# Altium PCB PCB_3U_ADC.PCBDOC (part 4 of 5) (continued)
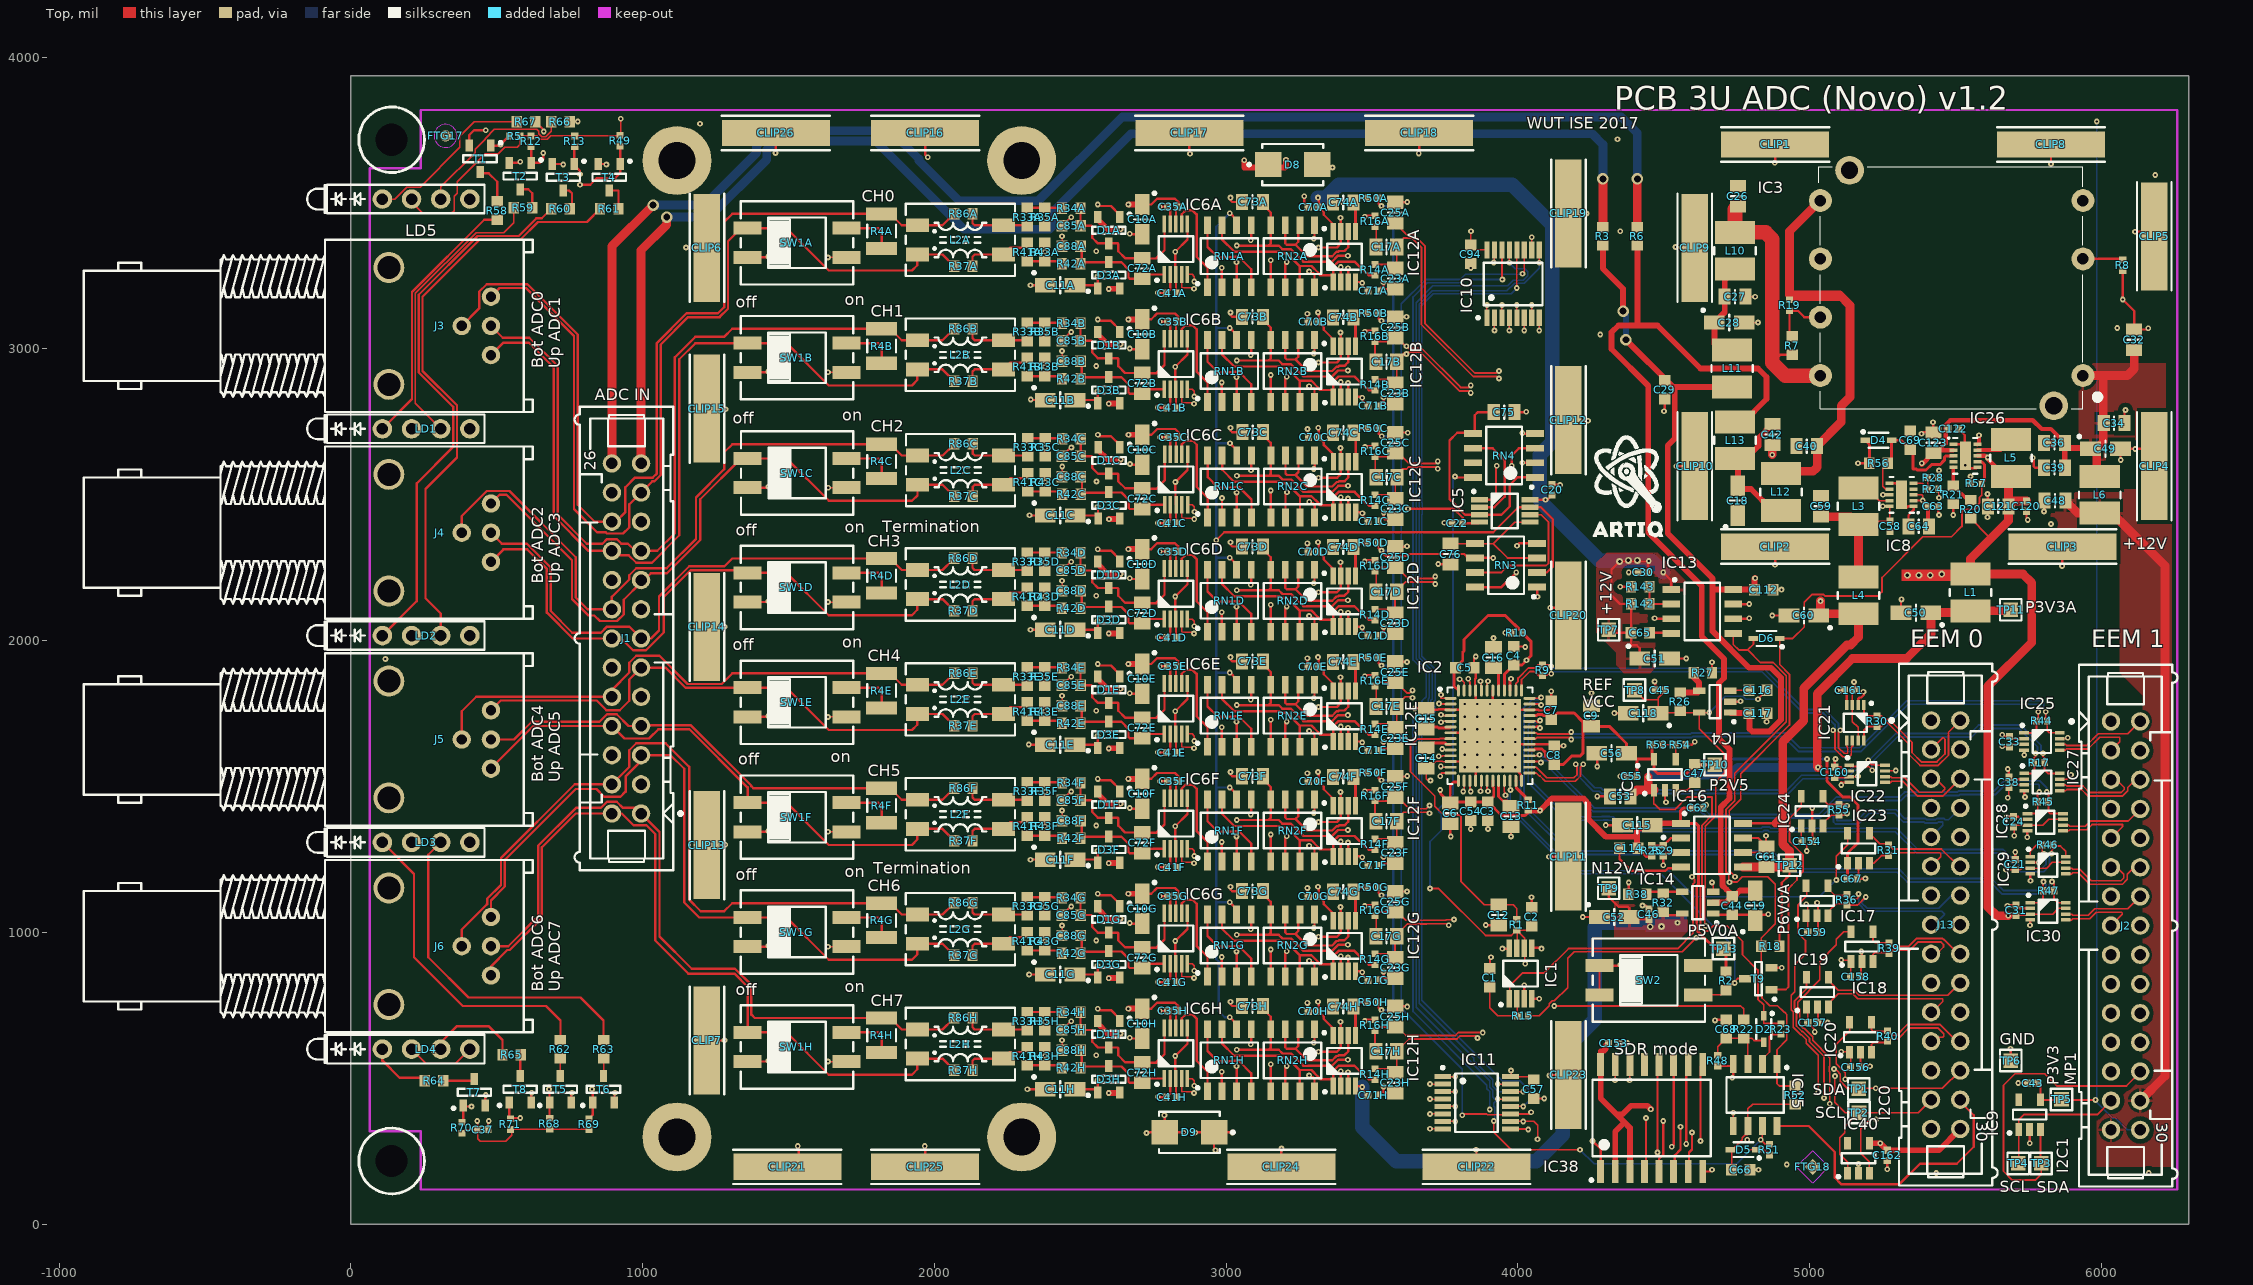
[diagram p0: Top view]
## Nets (pads, with @x,y where several pads share a name; then routed paths per layer and width w, separated by ;. In a path a pad name is that pad's centre, name@x,y a point inside that pad or via, vN(x,y) a via of type N, cw(c..) or ccw(c..) an arc to the next point about the centre after c; other vN are vias at no path point) (continued)
NetIC12B_6: IC12B.6 RN2B.2 RN2B.3 | length 435.7
  Top w8: RN2B.3@3202.77,3030.53 3202.77,2968.91 3208.09,2963.6 3237.61,2963.6 ; RN2B.2@3252.77,3030.53 3247.46,3025.21 3247.46,2973.44 3237.61,2963.6 ; IC12B.6@3418.31,3009 3418.31,2954.87 3405.51,2942.07 3386.64,2942.07 3383.75,2939.18 3378.47,2939.18 3363.52,2924.23 3276.98,2924.23 3237.61,2963.6
NetIC12B_7: IC12B.7 R16B.1 RN2B.6 | length 510.4
  Top w8: RN2B.6@3202.77,2817.93 3202.77,2899.23 v1(3208.09,2904.54) ; v1(3316.35,2953.76) 3379.94,2953.76 3392.72,2966.54 3392.72,3055.12 v1(3391.73,3056.1) ; v1(3475.39,3059.06) 3479.18,3062.84 R16B.1@3510.2,3062.84
  L3 w8: v1(3208.09,2904.54) 3267.14,2904.54 v1(3316.35,2953.76) ; v1(3391.73,3056.1) 3472.44,3056.1 v1(3475.39,3059.06)
NetIC12C_1: IC12C.1 R14C.1 RN1C.7 RN2C.7 | length 776.5
  Top w8: RN1C.7@2986.49,2635.17 2986.49,2586.1 3028.05,2544.54 3182.9,2544.54 3188.02,2539.41 3207.82,2539.41 3253.27,2493.96 ; RN2C.7@3253.27,2422.5 3253.27,2493.96 ; IC12C.1@3367.62,2440.35 IC12C.1@3367.62,2463.87 ; R14C.1@3510.7,2463.09 3489.83,2463.09 3481.17,2471.75 3478.79,2471.75 3440.31,2510.23 3385.41,2510.23 3367.62,2492.44 IC12C.1@3367.62,2463.87 ; 3253.27,2493.96 3254.77,2495.47 3292.75,2495.47 3316.27,2471.95 3316.27,2470.33 3322.72,2463.87 IC12C.1@3367.62,2463.87
NetIC12C_2: IC12C.2 RN1C.2 RN1C.5 | length 677.8
  Top w8: v1(2985.73,2489.42) 2985.73,2423.34 RN1C.2@2986.49,2422.58 ; v1(3085.14,2583.91) 3086.49,2585.26 RN1C.5@3086.49,2635.17 ; IC12C.2@3393.21,2440.35 v1(3393.21,2491.39)
  L3 w8: v1(2985.73,2489.42) 2987.7,2491.39 3026.01,2491.39 3028.12,2489.28 3083.03,2489.28 3085.14,2491.39 ; v1(3085.14,2583.91) 3085.14,2491.39 ; v1(3393.21,2491.39) 3392.1,2490.28 3297.94,2490.28 3292.75,2495.47 3277.14,2495.47 3271.95,2490.28 3200.78,2490.28 3199.67,2491.39 3085.14,2491.39
NetIC12C_6: IC12C.6 RN2C.2 RN2C.3 | length 435.7
  Top w8: RN2C.3@3203.27,2635.1 3203.27,2573.49 3208.58,2568.17 3238.11,2568.17 ; RN2C.2@3253.27,2635.1 3247.95,2629.79 3247.95,2578.02 3238.11,2568.17 ; IC12C.6@3418.8,2613.58 3418.8,2559.44 3406.01,2546.65 3387.13,2546.65 3384.24,2543.76 3378.97,2543.76 3364.01,2528.8 3277.48,2528.8 3238.11,2568.17
NetIC12C_7: IC12C.7 R16C.1 RN2C.6 | length 510.4
  Top w8: RN2C.6@3203.27,2422.5 3203.27,2503.8 v1(3208.58,2509.12) ; v1(3316.85,2558.33) 3380.43,2558.33 3393.21,2571.11 IC12C.7@3393.21,2613.58 3393.21,2659.69 v1(3392.23,2660.68) ; v1(3475.89,2663.63) 3479.67,2667.42 R16C.1@3510.7,2667.42
  L3 w8: v1(3208.58,2509.12) 3267.64,2509.12 v1(3316.85,2558.33) ; v1(3392.23,2660.68) 3472.93,2660.68 v1(3475.89,2663.63)
NetIC12D_1: IC12D.1 R14D.1 RN1D.7 RN2D.7 | length 776.5
  Top w8: RN1D.7@2986,2243.2 2986,2194.12 3027.56,2152.56 3182.4,2152.56 3187.53,2147.43 3207.32,2147.43 3252.77,2101.98 ; RN2D.7@3252.77,2030.53 3252.77,2101.98 ; IC12D.1@3367.13,2048.37 IC12D.1@3367.13,2071.9 ; R14D.1@3510.2,2071.11 3489.34,2071.11 3480.68,2079.77 3478.3,2079.77 3439.82,2118.25 3384.91,2118.25 3367.13,2100.47 IC12D.1@3367.13,2071.9 ; 3252.77,2101.98 3254.28,2103.49 3292.25,2103.49 3315.77,2079.97 3315.77,2078.35 3322.23,2071.9 IC12D.1@3367.13,2071.9
NetIC12D_2: IC12D.2 RN1D.2 RN1D.5 | length 677.8
  Top w8: v1(2985.24,2097.44) 2985.24,2031.36 RN1D.2@2986,2030.6 ; v1(3084.65,2191.93) 3086,2193.28 RN1D.5@3086,2243.2 ; IC12D.2@3392.72,2048.37 v1(3392.72,2099.41)
  L3 w8: v1(2985.24,2097.44) 2987.2,2099.41 3025.52,2099.41 3027.63,2097.3 3082.54,2097.3 3084.65,2099.41 ; v1(3084.65,2191.93) 3084.65,2099.41 ; v1(3392.72,2099.41) 3391.61,2098.3 3297.44,2098.3 3292.25,2103.49 3276.64,2103.49 3271.46,2098.3 3200.28,2098.3 3199.17,2099.41 3084.65,2099.41
NetIC12D_6: IC12D.6 RN2D.2 RN2D.3 | length 435.7
  Top w8: RN2D.3@3202.77,2243.13 3202.77,2181.51 3208.09,2176.2 3237.61,2176.2 ; RN2D.2@3252.77,2243.13 3247.46,2237.81 3247.46,2186.04 3237.61,2176.2 ; IC12D.6@3418.31,2221.6 3418.31,2167.46 3405.51,2154.67 3386.64,2154.67 3383.75,2151.78 3378.47,2151.78 3363.52,2136.83 3276.98,2136.83 3237.61,2176.2
NetIC12D_7: IC12D.7 R16D.1 RN2D.6 | length 510.4
  Top w8: RN2D.6@3202.77,2030.53 3202.77,2111.83 v1(3208.09,2117.14) ; v1(3316.35,2166.35) 3379.94,2166.35 3392.72,2179.13 3392.72,2267.72 v1(3391.73,2268.7) ; v1(3475.39,2271.65) 3479.18,2275.44 R16D.1@3510.2,2275.44
  L3 w8: v1(3208.09,2117.14) 3267.14,2117.14 v1(3316.35,2166.35) ; v1(3391.73,2268.7) 3472.44,2268.7 v1(3475.39,2271.65)
NetIC12E_1: IC12E.1 R14E.1 RN1E.7 RN2E.7 | length 776.5
  Top w8: RN1E.7@2986,1849.5 2986,1800.42 3027.56,1758.86 3182.4,1758.86 3187.53,1753.73 3207.32,1753.73 3252.77,1708.28 ; RN2E.7@3252.77,1636.83 3252.77,1708.28 ; IC12E.1@3367.13,1654.67 IC12E.1@3367.13,1678.2 ; R14E.1@3510.2,1677.41 3489.34,1677.41 3480.68,1686.07 3478.3,1686.07 3439.82,1724.55 3384.91,1724.55 3367.13,1706.77 IC12E.1@3367.13,1678.2 ; 3252.77,1708.28 3254.28,1709.79 3292.25,1709.79 3315.77,1686.27 3315.77,1684.65 3322.23,1678.2 IC12E.1@3367.13,1678.2
NetIC12E_2: IC12E.2 RN1E.2 RN1E.5 | length 677.8
  Top w8: v1(2985.24,1703.74) 2985.24,1637.66 RN1E.2@2986,1636.9 ; v1(3084.65,1798.23) 3086,1799.58 RN1E.5@3086,1849.5 ; IC12E.2@3392.72,1654.67 v1(3392.72,1705.71)
  L3 w8: v1(2985.24,1703.74) 2987.2,1705.71 3025.52,1705.71 3027.63,1703.6 3082.54,1703.6 3084.65,1705.71 ; v1(3084.65,1798.23) 3084.65,1705.71 ; v1(3392.72,1705.71) 3391.61,1704.6 3297.44,1704.6 3292.25,1709.79 3276.64,1709.79 3271.46,1704.6 3200.28,1704.6 3199.17,1705.71 3084.65,1705.71
NetIC12E_6: IC12E.6 RN2E.2 RN2E.3 | length 435.7
  Top w8: RN2E.3@3202.77,1849.43 3202.77,1787.81 3208.09,1782.5 3237.61,1782.5 ; RN2E.2@3252.77,1849.43 3247.46,1844.11 3247.46,1792.34 3237.61,1782.5 ; IC12E.6@3418.31,1827.9 3418.31,1773.76 3405.51,1760.97 3386.64,1760.97 3383.75,1758.08 3378.47,1758.08 3363.52,1743.13 3276.98,1743.13 3237.61,1782.5
NetIC12E_7: IC12E.7 R16E.1 RN2E.6 | length 510.4
  Top w8: RN2E.6@3202.77,1636.83 3202.77,1718.13 v1(3208.09,1723.44) ; v1(3316.35,1772.65) 3379.94,1772.65 3392.72,1785.43 3392.72,1874.02 v1(3391.73,1875) ; v1(3475.39,1877.95) 3479.18,1881.74 R16E.1@3510.2,1881.74
  L3 w8: v1(3208.09,1723.44) 3267.14,1723.44 v1(3316.35,1772.65) ; v1(3391.73,1875) 3472.44,1875 v1(3475.39,1877.95)
NetIC12F_1: IC12F.1 R14F.1 RN1F.7 RN2F.7 | length 776.5
  Top w8: RN1F.7@2986,1455.8 2986,1406.72 3027.56,1365.16 3182.4,1365.16 3187.53,1360.03 3207.32,1360.03 3252.77,1314.58 ; RN2F.7@3252.77,1243.13 3252.77,1314.58 ; IC12F.1@3367.13,1260.97 IC12F.1@3367.13,1284.5 ; R14F.1@3510.2,1283.71 3489.34,1283.71 3480.68,1292.37 3478.3,1292.37 3439.82,1330.85 3384.91,1330.85 3367.13,1313.06 IC12F.1@3367.13,1284.5 ; 3252.77,1314.58 3254.28,1316.09 3292.25,1316.09 3315.77,1292.57 3315.77,1290.95 3322.23,1284.5 IC12F.1@3367.13,1284.5
NetIC12F_2: IC12F.2 RN1F.2 RN1F.5 | length 677.8
  Top w8: v1(2985.24,1310.04) 2985.24,1243.96 RN1F.2@2986,1243.2 ; v1(3084.65,1404.53) 3086,1405.88 RN1F.5@3086,1455.8 ; IC12F.2@3392.72,1260.97 v1(3392.72,1312.01)
  L3 w8: v1(2985.24,1310.04) 2987.2,1312.01 3025.52,1312.01 3027.63,1309.9 3082.54,1309.9 3084.65,1312.01 ; v1(3084.65,1404.53) 3084.65,1312.01 ; v1(3392.72,1312.01) 3391.61,1310.9 3297.44,1310.9 3292.25,1316.09 3276.64,1316.09 3271.46,1310.9 3200.28,1310.9 3199.17,1312.01 3084.65,1312.01
NetIC12F_6: IC12F.6 RN2F.2 RN2F.3 | length 435.7
  Top w8: RN2F.3@3202.77,1455.72 3202.77,1394.11 3208.09,1388.8 3237.61,1388.8 ; RN2F.2@3252.77,1455.72 3247.46,1450.41 3247.46,1398.64 3237.61,1388.8 ; IC12F.6@3418.31,1434.2 3418.31,1380.06 3405.51,1367.27 3386.64,1367.27 3383.75,1364.38 3378.47,1364.38 3363.52,1349.43 3276.98,1349.43 3237.61,1388.8
NetIC12F_7: IC12F.7 R16F.1 RN2F.6 | length 510.4
  Top w8: RN2F.6@3202.77,1243.13 3202.77,1324.43 v1(3208.09,1329.74) ; v1(3316.35,1378.95) 3379.94,1378.95 3392.72,1391.73 IC12F.7@3392.72,1434.2 3392.72,1480.31 v1(3391.73,1481.3) ; v1(3475.39,1484.25) 3479.18,1488.04 R16F.1@3510.2,1488.04
  L3 w8: v1(3208.09,1329.74) 3267.14,1329.74 v1(3316.35,1378.95) ; v1(3391.73,1481.3) 3472.44,1481.3 v1(3475.39,1484.25)
NetIC12G_1: IC12G.1 R14G.1 RN1G.7 RN2G.7 | length 776.5
  Top w8: RN1G.7@2986,1062.09 2986,1013.02 3027.56,971.46 3182.4,971.46 3187.53,966.33 3207.32,966.33 3252.77,920.88 ; RN2G.7@3252.77,849.43 3252.77,920.88 ; IC12G.1@3367.13,867.27 IC12G.1@3367.13,890.8 ; R14G.1@3510.2,890.01 3489.34,890.01 3480.68,898.67 3478.3,898.67 3439.82,937.15 3384.91,937.15 3367.13,919.36 IC12G.1@3367.13,890.8 ; 3252.77,920.88 3254.28,922.39 3292.25,922.39 3315.77,898.87 3315.77,897.25 3322.23,890.8 IC12G.1@3367.13,890.8
NetIC12G_2: IC12G.2 RN1G.2 RN1G.5 | length 677.8
  Top w8: v1(2985.24,916.34) 2985.24,850.26 RN1G.2@2986,849.5 ; v1(3084.65,1010.83) 3086,1012.18 RN1G.5@3086,1062.09 ; IC12G.2@3392.72,867.27 v1(3392.72,918.31)
  L3 w8: v1(2985.24,916.34) 2987.2,918.31 3025.52,918.31 3027.63,916.2 3082.54,916.2 3084.65,918.31 ; v1(3084.65,1010.83) 3084.65,918.31 ; v1(3392.72,918.31) 3391.61,917.2 3297.44,917.2 3292.25,922.39 3276.64,922.39 3271.46,917.2 3200.28,917.2 3199.17,918.31 3084.65,918.31
NetIC12G_6: IC12G.6 RN2G.2 RN2G.3 | length 435.7
  Top w8: RN2G.3@3202.77,1062.02 3202.77,1000.41 3208.09,995.09 3237.61,995.09 ; RN2G.2@3252.77,1062.02 3247.46,1056.71 3247.46,1004.94 3237.61,995.09 ; IC12G.6@3418.31,1040.5 3418.31,986.36 3405.51,973.57 3386.64,973.57 3383.75,970.68 3378.47,970.68 3363.52,955.72 3276.98,955.72 3237.61,995.09
NetIC12G_7: IC12G.7 R16G.1 RN2G.6 | length 510.4
  Top w8: RN2G.6@3202.77,849.43 3202.77,930.72 v1(3208.09,936.04) ; v1(3316.35,985.25) 3379.94,985.25 3392.72,998.03 3392.72,1086.61 v1(3391.73,1087.6) ; v1(3475.39,1090.55) 3479.18,1094.34 R16G.1@3510.2,1094.34
  L3 w8: v1(3208.09,936.04) 3267.14,936.04 v1(3316.35,985.25) ; v1(3391.73,1087.6) 3472.44,1087.6 v1(3475.39,1090.55)
NetIC12H_1: IC12H.1 R14H.1 RN1H.7 RN2H.7 | length 776.5
  Top w8: RN1H.7@2986,668.39 2986,619.31 3027.56,577.76 3182.4,577.76 3187.53,572.63 3207.32,572.63 3252.77,527.18 ; RN2H.7@3252.77,455.72 3252.77,527.18 ; IC12H.1@3367.13,473.57 IC12H.1@3367.13,497.09 ; R14H.1@3510.2,496.31 3489.34,496.31 3480.68,504.97 3478.3,504.97 3439.82,543.45 3384.91,543.45 3367.13,525.66 IC12H.1@3367.13,497.09 ; 3252.77,527.18 3254.28,528.69 3292.25,528.69 3315.77,505.17 3315.77,503.55 3322.23,497.09 IC12H.1@3367.13,497.09
NetIC12H_2: IC12H.2 RN1H.2 RN1H.5 | length 677.8
  Top w8: v1(2985.24,522.64) 2985.24,456.56 RN1H.2@2986,455.8 ; v1(3084.65,617.13) 3086,618.48 RN1H.5@3086,668.39 ; IC12H.2@3392.72,473.57 v1(3392.72,524.61)
  L3 w8: v1(2985.24,522.64) 2987.2,524.61 3025.52,524.61 3027.63,522.5 3082.54,522.5 3084.65,524.61 ; v1(3084.65,617.13) 3084.65,524.61 ; v1(3392.72,524.61) 3391.61,523.5 3297.44,523.5 3292.25,528.69 3276.64,528.69 3271.46,523.5 3200.28,523.5 3199.17,524.61 3084.65,524.61
NetIC12H_6: IC12H.6 RN2H.2 RN2H.3 | length 435.7
  Top w8: RN2H.3@3202.77,668.32 3202.77,606.71 3208.09,601.39 3237.61,601.39 ; RN2H.2@3252.77,668.32 3247.46,663.01 3247.46,611.24 3237.61,601.39 ; IC12H.6@3418.31,646.8 3418.31,592.66 3405.51,579.87 3386.64,579.87 3383.75,576.98 3378.47,576.98 3363.52,562.02 3276.98,562.02 3237.61,601.39
NetIC12H_7: IC12H.7 R16H.1 RN2H.6 | length 510.4
  Top w8: RN2H.6@3202.77,455.72 3202.77,537.02 v1(3208.09,542.34) ; v1(3316.35,591.55) 3379.94,591.55 3392.72,604.33 3392.72,692.91 v1(3391.73,693.9) ; v1(3475.39,696.85) 3479.18,700.64 R16H.1@3510.2,700.64
  L3 w8: v1(3208.09,542.34) 3267.14,542.34 v1(3316.35,591.55) ; v1(3391.73,693.9) 3472.44,693.9 v1(3475.39,696.85)
NetIC13_2: IC13.2 R142.1 R143.2 | length 134.1
  Top w8: R143.2@4450.79,2185.04 R142.1@4450.79,2125.98 4524.94,2125.98 IC13.2@4525.55,2125.37
NetIC14_4: IC14.4 R32.1 R38.2 | length 125.3
  Top w10: R38.2@4440.94,1131.89 4448.82,1139.76 IC14.4@4562.99,1139.76
NetIC15_2: IC15.2 R23.1 | length 146.8
  Top w6: IC15.2@4837.99,549.21 4837.99,566.34 4862.2,590.55 4862.2,643.7 4869.29,650.79 R23.1@4901.57,650.79
NetIC16_2: IC16.2 R25.1 R29.2 | length 111.2
  Top w8: R25.1@4458.66,1298.03 R29.2@4498.03,1298.03 4524.21,1324.21 IC16.2@4559.06,1324.21
NetIC24_5: IC24.5 T9.1 | length 772.4
  Top w6: T9.1@4869.48,804.61 4918.78,804.61 4926.99,812.82 4926.99,1150.42 4956.69,1180.12 4956.69,1189.91 4977.36,1210.57 4977.36,1265.79 4930.93,1312.23 4930.93,1391.37 4971.03,1431.47 IC24.5@4971.03,1467.56
NetIC26_5: IC26.5 R20.1 R21.2 | length 132.4
  Top w12: R21.2@5492.13,2531.5 5541.34,2482.28 R20.1@5551.18,2482.28 ; R21.2@5492.19,2541.31 IC26.5@5492.19,2594.28
NetIC26_9: IC26.9 L5.1 | length 130.1
  Top w13: IC26.9@5574.87,2653.34 5653.72,2653.34 L5.1@5689.94,2689.56
NetJ1_25: J1.25 R3.1 | length 4804.3
  Top w30: J1.25@994.88,2607.87 994.88,3337.88 1083,3426 v3(1083,3452) ; R3.1@4291.34,3417.32 v3(4291.34,3582.68)
  Bot w30: v3(1083,3452) 1229,3452 1425.87,3648.87 1425.87,3683.62 1455.21,3712.96 1798.85,3712.96 2101.38,3410.43 2394.69,3410.43 2409.63,3425.38 2409.63,3472.62 2674.21,3737.2 4254.92,3737.2 4291.34,3700.79 v3(4291.34,3582.68)
NetJ1_26: J1.26 R6.1 | length 5005.5
  Top w30: J1.26@894.88,2607.87 894.88,3351.88 v3(1036,3493) ; R6.1@4409.45,3417.32 v3(4409.45,3582.68)
  Bot w30: v3(1036,3493) 1211,3493 1390.87,3672.87 1390.87,3698.12 1440.71,3747.96 1850.46,3747.96 1947.16,3651.27 1947.16,3644.64 2084.24,3507.56 2356.42,3507.56 2643.86,3795 4354.61,3795 4409.45,3740.16 v3(4409.45,3582.68)
NetL2A_3: L2A.3 R37A.2 R41A.1 | length 240.5
  Top w8: R37A.2@2130.71,3283.77 2130.71,3316.26 2138.22,3323.77 L2A.3@2236.85,3323.77 2259.54,3346.46 2302.2,3346.46 R41A.1@2319.21,3363.47
NetL2A_4: L2A.4 R33A.1 R86A.2 | length 225.6
  Top w8: R86A.2@2130.71,3463.77 2130.71,3431.06 2138,3423.77 L2A.4@2236.85,3423.77 2315.91,3423.77 R33A.1@2319.21,3420.47
NetL2B_3: L2B.3 R37B.2 R41B.1 | length 240.5
  Top w8: R37B.2@2130.71,2890.07 2130.71,2922.56 2138.22,2930.07 L2B.3@2236.85,2930.07 2259.54,2952.76 2302.2,2952.76 R41B.1@2319.21,2969.76
NetL2B_4: L2B.4 R33B.1 R86B.2 | length 225.6
  Top w8: R86B.2@2130.71,3070.07 2130.71,3037.36 2138,3030.07 L2B.4@2236.85,3030.07 2315.91,3030.07 R33B.1@2319.21,3026.77
NetL2C_3: L2C.3 R37C.2 R41C.1 | length 240.5
  Top w8: R37C.2@2131.2,2494.65 2131.2,2527.13 2138.71,2534.65 L2C.3@2237.34,2534.65 2260.03,2557.33 2302.7,2557.33 R41C.1@2319.71,2574.34
NetL2C_4: L2C.4 R33C.1 R86C.2 | length 225.6
  Top w8: R86C.2@2131.2,2674.65 2131.2,2641.94 2138.49,2634.65 L2C.4@2237.34,2634.65 2316.41,2634.65 R33C.1@2319.71,2631.35
NetL2D_3: L2D.3 R37D.2 R41D.1 | length 240.5
  Top w8: R37D.2@2130.71,2102.67 2130.71,2135.16 2138.22,2142.67 L2D.3@2236.85,2142.67 2259.54,2165.35 2302.2,2165.35 R41D.1@2319.21,2182.36
NetL2D_4: L2D.4 R33D.1 R86D.2 | length 225.6
  Top w8: R86D.2@2130.71,2282.67 2130.71,2249.96 2138,2242.67 L2D.4@2236.85,2242.67 2315.91,2242.67 R33D.1@2319.21,2239.37
NetL2E_3: L2E.3 R37E.2 R41E.1 | length 240.5
  Top w8: R37E.2@2130.71,1708.97 2130.71,1741.46 2138.22,1748.97 L2E.3@2236.85,1748.97 2259.54,1771.65 2302.2,1771.65 R41E.1@2319.21,1788.66
NetL2E_4: L2E.4 R33E.1 R86E.2 | length 225.6
  Top w8: R86E.2@2130.71,1888.97 2130.71,1856.26 2138,1848.97 L2E.4@2236.85,1848.97 2315.91,1848.97 R33E.1@2319.21,1845.67
NetL2F_3: L2F.3 R37F.2 R41F.1 | length 240.5
  Top w8: R37F.2@2130.71,1315.27 2130.71,1347.76 2138.22,1355.27 L2F.3@2236.85,1355.27 2259.54,1377.95 2302.2,1377.95 R41F.1@2319.21,1394.96
NetL2F_4: L2F.4 R33F.1 R86F.2 | length 225.6
  Top w8: R86F.2@2130.71,1495.27 2130.71,1462.56 2138,1455.27 L2F.4@2236.85,1455.27 2315.91,1455.27 R33F.1@2319.21,1451.97
NetL2G_3: L2G.3 R37G.2 R41G.1 | length 240.5
  Top w8: R37G.2@2130.71,921.57 2130.71,954.06 2138.22,961.57 L2G.3@2236.85,961.57 2259.54,984.25 2302.2,984.25 R41G.1@2319.21,1001.26
NetL2G_4: L2G.4 R33G.1 R86G.2 | length 225.6
  Top w8: R86G.2@2130.71,1101.57 2130.71,1068.86 2138,1061.57 L2G.4@2236.85,1061.57 2315.91,1061.57 R33G.1@2319.21,1058.27
NetL2H_3: L2H.3 R37H.2 R41H.1 | length 240.5
  Top w8: R37H.2@2130.71,527.87 2130.71,560.35 2138.22,567.87 L2H.3@2236.85,567.87 2259.54,590.55 2302.2,590.55 R41H.1@2319.21,607.56
NetL2H_4: L2H.4 R33H.1 R86H.2 | length 225.6
  Top w8: R86H.2@2130.71,707.87 2130.71,675.16 2138,667.87 L2H.4@2236.85,667.87 2315.91,667.87 R33H.1@2319.21,664.57
NetLD1_1: LD1.1 R58.1 | length 905.6
  Top w8: LD1.1@108.27,2726.38 210.06,2828.17 210.06,3195.35 457.63,3442.91 R58.1@501.97,3442.91
NetLD1_3: LD1.3 R59.1 | length 989.2
  Top w5: LD1.3@308.27,2726.38 221.56,2813.08 221.56,3190.58 429.74,3398.76 524.74,3398.76 559.06,3433.07 R59.1@559.06,3484.25
NetLD2_1: LD2.1 R60.1 | length 1893.2
  Top w8: LD2.1@108.27,2017.72 226.38,2135.83 226.38,2539.37 350.73,2663.72 350.73,2801.83 233.06,2919.5 233.06,3185.82 434.5,3387.26 575.32,3387.26 636.1,3448.04 654.73,3448.04 R60.1@687.01,3480.32
NetLD2_3: LD2.3 R61.1 | length 2009.9
  Top w8: LD2.3@308.27,2017.72 308.27,2093.31 255.91,2145.67 255.91,2519.69 364.17,2627.95 364.17,2806.77 246.06,2924.88 246.06,3179.13 441.19,3374.26 580.71,3374.26 641.49,3435.04 809.05,3435.04 R61.1@854.33,3480.32
NetLD3_1: LD3.1 R62.1 | length 1097.1
  Top w8: LD3.1@108.27,1309.06 216.54,1200.79 216.54,915.35 383.86,748.03 669.29,748.03 718.5,698.82 R62.1@718.5,631.89
NetLD3_3: LD3.3 R63.1 | length 1168.3
  Top w8: LD3.3@308.27,1309.06 265.75,1266.54 265.75,915.35 403.54,777.56 787.4,777.56 866.14,698.82 R63.1@866.14,631.89
NetLD4_1: LD4.1 R64.1 | length 213.6
  Top w8: LD4.1@108.27,600.39 108.27,561.02 167.32,501.97 244.09,501.97 R64.1@253.94,492.13
NetLD4_3: LD4.3 R65.1 | length 328.2
  Top w8: LD4.3@308.27,600.39 308.27,623.23 364.17,679.13 472.44,679.13 519.69,631.89 R65.1@519.69,580.71
NetLD5_1: LD5.1 R67.1 | length 593.8
  Top w5: LD5.1@108.27,3513.78 150.34,3513.78 191.3,3554.74 237.81,3554.74 374.02,3690.94 374.02,3724.82 374.6,3725.4 374.6,3730.9 423.23,3779.53 R67.1@568.9,3779.53
NetLD5_3: LD5.3 R66.1 | length 565.4
  Top w5: LD5.3@308.27,3513.78 308.27,3555.54 425.81,3673.07 425.81,3683.68 460.02,3717.89 460.02,3720.63 491.74,3752.34 637.84,3752.34 643.81,3746.37 643.81,3738.1 653.97,3727.94 668.34,3727.94 687.01,3746.61 R66.1@687.01,3779.53
NetR4A_1: R4A.1 SW1A.4 | length 183.2
  Top w8: SW1A.4@1698.5,3413.77 1808,3413.77 1819.21,3402.56 R4A.1@1819.21,3344.72
NetR4B_1: R4B.1 SW1B.4 | length 183.2
  Top w8: SW1B.4@1698.5,3020.07 1808,3020.07 1819.21,3008.86 R4B.1@1819.21,2951.02
NetR4C_1: R4C.1 SW1C.4 | length 183.2
  Top w8: SW1C.4@1699,2624.64 1808.49,2624.64 1819.71,2613.43 R4C.1@1819.71,2555.59
NetR4D_1: R4D.1 SW1D.4 | length 183.2
  Top w8: SW1D.4@1698.5,2232.67 1808,2232.67 1819.21,2221.46 R4D.1@1819.21,2163.62
NetR4E_1: R4E.1 SW1E.4 | length 183.2
  Top w8: SW1E.4@1698.5,1838.96 1808,1838.97 1819.21,1827.75 R4E.1@1819.21,1769.91
NetR4F_1: R4F.1 SW1F.4 | length 183.2
  Top w8: SW1F.4@1698.5,1445.27 1808,1445.27 1819.21,1434.05 R4F.1@1819.21,1376.21
NetR4G_1: R4G.1 SW1G.4 | length 183.2
  Top w8: SW1G.4@1698.5,1051.57 1808,1051.57 1819.21,1040.35 R4G.1@1819.21,982.52
NetR4H_1: R4H.1 SW1H.4 | length 183.2
  Top w8: SW1H.4@1698.5,657.86 1808,657.86 1819.21,646.65 R4H.1@1819.21,588.81
NetR33A_2: R33A.2 R34A.1 R35A.2 | length 119.1
  Top w8: R33A.2@2319.21,3483.47 R35A.2@2379.21,3483.47 2436.22,3483.47 R34A.1@2437.72,3481.97
NetR33B_2: R33B.2 R34B.1 R35B.2 | length 119.1
  Top w8: R33B.2@2319.21,3089.76 2436.22,3089.76 R34B.1@2437.72,3088.27
NetR33C_2: R33C.2 R34C.1 R35C.2 | length 119.1
  Top w8: R33C.2@2319.71,2694.34 2436.71,2694.34 R34C.1@2438.21,2692.84
NetR33D_2: R33D.2 R34D.1 R35D.2 | length 119.1
  Top w8: R33D.2@2319.21,2302.36 R35D.2@2379.21,2302.36 2436.22,2302.36 R34D.1@2437.72,2300.87
NetR33E_2: R33E.2 R34E.1 R35E.2 | length 119.1
  Top w8: R33E.2@2319.21,1908.66 2436.22,1908.66 R34E.1@2437.72,1907.17
NetR33F_2: R33F.2 R34F.1 R35F.2 | length 119.1
  Top w8: R33F.2@2319.21,1514.96 R35F.2@2379.21,1514.96 2436.22,1514.96 R34F.1@2437.72,1513.47
NetR33G_2: R33G.2 R34G.1 R35G.2 | length 119.1
  Top w8: R33G.2@2319.21,1121.26 2436.22,1121.26 R34G.1@2437.72,1119.76
NetR33H_2: R33H.2 R34H.1 R35H.2 | length 119.1
  Top w8: R33H.2@2319.21,727.56 R35H.2@2379.21,727.56 2436.22,727.56 R34H.1@2437.72,726.06
NetR41A_2: R41A.2 R42A.1 R43A.2 | length 122
  Top w8: R41A.2@2319.21,3300.47 R43A.2@2379.21,3300.47 2429.21,3300.47 R42A.1@2437.72,3291.97
NetR41B_2: R41B.2 R42B.1 R43B.2 | length 122
  Top w8: R41B.2@2319.21,2906.77 2429.21,2906.77 R42B.1@2437.72,2898.27
NetR41C_2: R41C.2 R42C.1 R43C.2 | length 122
  Top w8: R41C.2@2319.71,2511.35 2429.71,2511.35 R42C.1@2438.21,2502.84
NetR41D_2: R41D.2 R42D.1 R43D.2 | length 122
  Top w8: R41D.2@2319.21,2119.37 2429.21,2119.37 R42D.1@2437.72,2110.87
NetR41E_2: R41E.2 R42E.1 R43E.2 | length 122
  Top w8: R41E.2@2319.21,1725.67 2429.21,1725.67 R42E.1@2437.72,1717.17
NetR41F_2: R41F.2 R42F.1 R43F.2 | length 122
  Top w8: R41F.2@2319.21,1331.97 R43F.2@2379.21,1331.97 2429.21,1331.97 R42F.1@2437.72,1323.47
NetR41G_2: R41G.2 R42G.1 R43G.2 | length 122
  Top w8: R41G.2@2319.21,938.27 2429.21,938.27 R42G.1@2437.72,929.76
NetR41H_2: R41H.2 R42H.1 R43H.2 | length 122
  Top w8: R41H.2@2319.21,544.57 R43H.2@2379.21,544.57 2429.21,544.57 R42H.1@2437.72,536.06
NetR58_2: R58.2 T1.3 | length 139.8
  Top w8: T1.3@442.91,3606.3 446.85,3602.36 472.44,3602.36 501.97,3572.83 R58.2@501.97,3505.91
NetR59_2: R59.2 T2.3 | length 96.3
  Top w8: T2.3@580.71,3547.24 608.27,3547.24 622.05,3533.46 R59.2@622.05,3484.25
NetR60_2: R60.2 T3.3 | length 90
  Top w8: T3.3@728.35,3543.31 748.03,3543.31 757.87,3533.46 757.87,3488.19 R60.2@750,3480.32
NetR61_2: R61.2 T4.3 | length 93.3
  Top w8: T4.3@885.83,3543.31 915.35,3543.31 917.32,3541.34 R61.2@917.32,3480.32
NetR62_2: R62.2 T5.3 | length 61
  Top w5: T5.3@718.5,507.87 R62.2@718.5,568.9
NetR63_2: R63.2 T6.3 | length 61
  Top w5: T6.3@866.14,507.87 R63.2@866.14,568.9
NetR64_2: R64.2 T7.3 | length 108.7
  Top w8: R64.2@316.93,492.13 417.32,492.13 T7.3@423.23,498.03
NetR65_2: R65.2 T8.3 | length 73.6
  Top w8: T8.3@580.71,507.87 580.71,578.74 R65.2@582.68,580.71
NetRN1A_4: RN1A.4 RN1A.8 | length 319.2
  Top w8: RN1A.8@2936.23,3420.48 2936.23,3349.81 2971.86,3314.18 3025.72,3314.18 3027.63,3316.09 3043.24,3316.09 3086.23,3273.1 RN1A.4@3086.23,3207.88
NetRN1B_4: RN1B.4 RN1B.8 | length 319.2
  Top w8: RN1B.8@2936.23,3026.78 2936.23,2956.11 2971.86,2920.48 3025.72,2920.48 3027.63,2922.39 3043.24,2922.39 3086.23,2879.4 RN1B.4@3086.23,2814.18
NetRN1C_4: RN1C.4 RN1C.8 | length 319.2
  Top w8: RN1C.8@2936.72,2631.35 2936.72,2560.69 2972.35,2525.06 3026.22,2525.06 3028.12,2526.96 3043.73,2526.96 3086.72,2483.97 RN1C.4@3086.72,2418.76
NetRN1D_4: RN1D.4 RN1D.8 | length 319.2
  Top w8: RN1D.8@2936.23,2239.38 2936.23,2168.71 2971.86,2133.08 3025.72,2133.08 3027.63,2134.98 3043.24,2134.98 3086.23,2091.99 RN1D.4@3086.23,2026.78
NetRN1E_4: RN1E.4 RN1E.8 | length 319.2
  Top w8: RN1E.8@2936.23,1845.68 2936.23,1775.01 2971.86,1739.38 3025.72,1739.38 3027.63,1741.28 3043.24,1741.28 3086.23,1698.29 RN1E.4@3086.23,1633.08
NetRN1F_4: RN1F.4 RN1F.8 | length 319.2
  Top w8: RN1F.8@2936.23,1451.98 2936.23,1381.31 2971.86,1345.68 3025.72,1345.68 3027.63,1347.58 3043.24,1347.58 3086.23,1304.59 RN1F.4@3086.23,1239.38
NetRN1G_4: RN1G.4 RN1G.8 | length 319.2
  Top w8: RN1G.8@2936.23,1058.28 2936.23,987.61 2971.86,951.98 3025.72,951.98 3027.63,953.88 3043.24,953.88 3086.23,910.89 RN1G.4@3086.23,845.68
NetRN1H_4: RN1H.4 RN1H.8 | length 319.2
  Top w8: RN1H.8@2936.23,664.57 2936.23,593.91 2971.86,558.28 3025.72,558.28 3027.63,560.18 3043.24,560.18 3086.23,517.19 RN1H.4@3086.23,451.98
NetRN2A_1: RN2A.1 RN2A.5 | length 318.1
  Top w8: v1(3152.56,3304.13) 3152.56,3211.84 RN2A.5@3152.77,3211.63 ; v1(3300.2,3377.95) 3302.77,3380.53 RN2A.1@3302.77,3424.23
  L3 w8: v1(3152.56,3304.13) 3155.51,3304.13 3192.91,3341.54 3263.78,3341.54 v1(3300.2,3377.95)
NetRN2B_1: RN2B.1 RN2B.5 | length 318.1
  Top w8: v1(3152.56,2910.43) 3152.56,2818.14 RN2B.5@3152.77,2817.93 ; v1(3300.2,2984.25) 3302.77,2986.83 RN2B.1@3302.77,3030.53
  L3 w8: v1(3152.56,2910.43) 3155.51,2910.43 3192.91,2947.83 3263.78,2947.83 v1(3300.2,2984.25)
NetRN2C_1: RN2C.1 RN2C.5 | length 318.1
  Top w8: v1(3153.05,2515.01) 3153.05,2422.72 RN2C.5@3153.27,2422.5 ; v1(3300.69,2588.83) 3303.27,2591.4 RN2C.1@3303.27,2635.1
  L3 w8: v1(3153.05,2515.01) 3156.01,2515.01 3193.41,2552.41 3264.27,2552.41 v1(3300.69,2588.83)
NetRN2D_1: RN2D.1 RN2D.5 | length 318.1
  Top w8: v1(3152.56,2123.03) 3152.56,2030.74 RN2D.5@3152.77,2030.53 ; v1(3300.2,2196.85) 3302.77,2199.43 RN2D.1@3302.77,2243.13
  L3 w8: v1(3152.56,2123.03) 3155.51,2123.03 3192.91,2160.43 3263.78,2160.43 v1(3300.2,2196.85)
NetRN2E_1: RN2E.1 RN2E.5 | length 318.1
  Top w8: v1(3152.56,1729.33) 3152.56,1637.04 RN2E.5@3152.77,1636.83 ; v1(3300.2,1803.15) 3302.77,1805.72 RN2E.1@3302.77,1849.43
  L3 w8: v1(3152.56,1729.33) 3155.51,1729.33 3192.91,1766.73 3263.78,1766.73 v1(3300.2,1803.15)
NetRN2F_1: RN2F.1 RN2F.5 | length 318.1
  Top w8: v1(3152.56,1335.63) 3152.56,1243.34 RN2F.5@3152.77,1243.13 ; v1(3300.2,1409.45) 3302.77,1412.02 RN2F.1@3302.77,1455.72
  L3 w8: v1(3152.56,1335.63) 3155.51,1335.63 3192.91,1373.03 3263.78,1373.03 v1(3300.2,1409.45)
NetRN2G_1: RN2G.1 RN2G.5 | length 318.1
  Top w8: v1(3152.56,941.93) 3152.56,849.64 RN2G.5@3152.77,849.43 ; v1(3300.2,1015.75) 3302.77,1018.32 RN2G.1@3302.77,1062.02
  L3 w8: v1(3152.56,941.93) 3155.51,941.93 3192.91,979.33 3263.78,979.33 v1(3300.2,1015.75)
NetRN2H_1: RN2H.1 RN2H.5 | length 318.1
  Top w8: v1(3152.56,548.23) 3152.56,455.94 RN2H.5@3152.77,455.72 ; v1(3300.2,622.05) 3302.77,624.62 RN2H.1@3302.77,668.32
  L3 w8: v1(3152.56,548.23) 3155.51,548.23 3192.91,585.63 3263.78,585.63 v1(3300.2,622.05)
NetRN3_4: RN3.4 RN3.8 | length 326.6
  Top w8: RN3.8@3853.35,2183.86 3943.7,2183.86 v1(3994.09,2234.25) ; v1(3997.05,2325.79) 4005.12,2333.86 RN3.4@4065.94,2333.86
  L3 w8: v1(3994.09,2234.25) 3997.05,2237.2 v1(3997.05,2325.79)